# Altium PCB RF-BPF_backup.PcbDoc (part 1 of 2)
Units mm, origin at the board's own origin, x right, y up, seen from the top; angles counter-clockwise.
Board outline 170 x 77.5 mm, 2 copper layers (Top Layer, Top, Bottom Layer, Bottom), stack 1.671 mm thick; 221 components, 128 nets, 704 pads, 14 vias.
Unrouted connection lines stored in the file: 307.
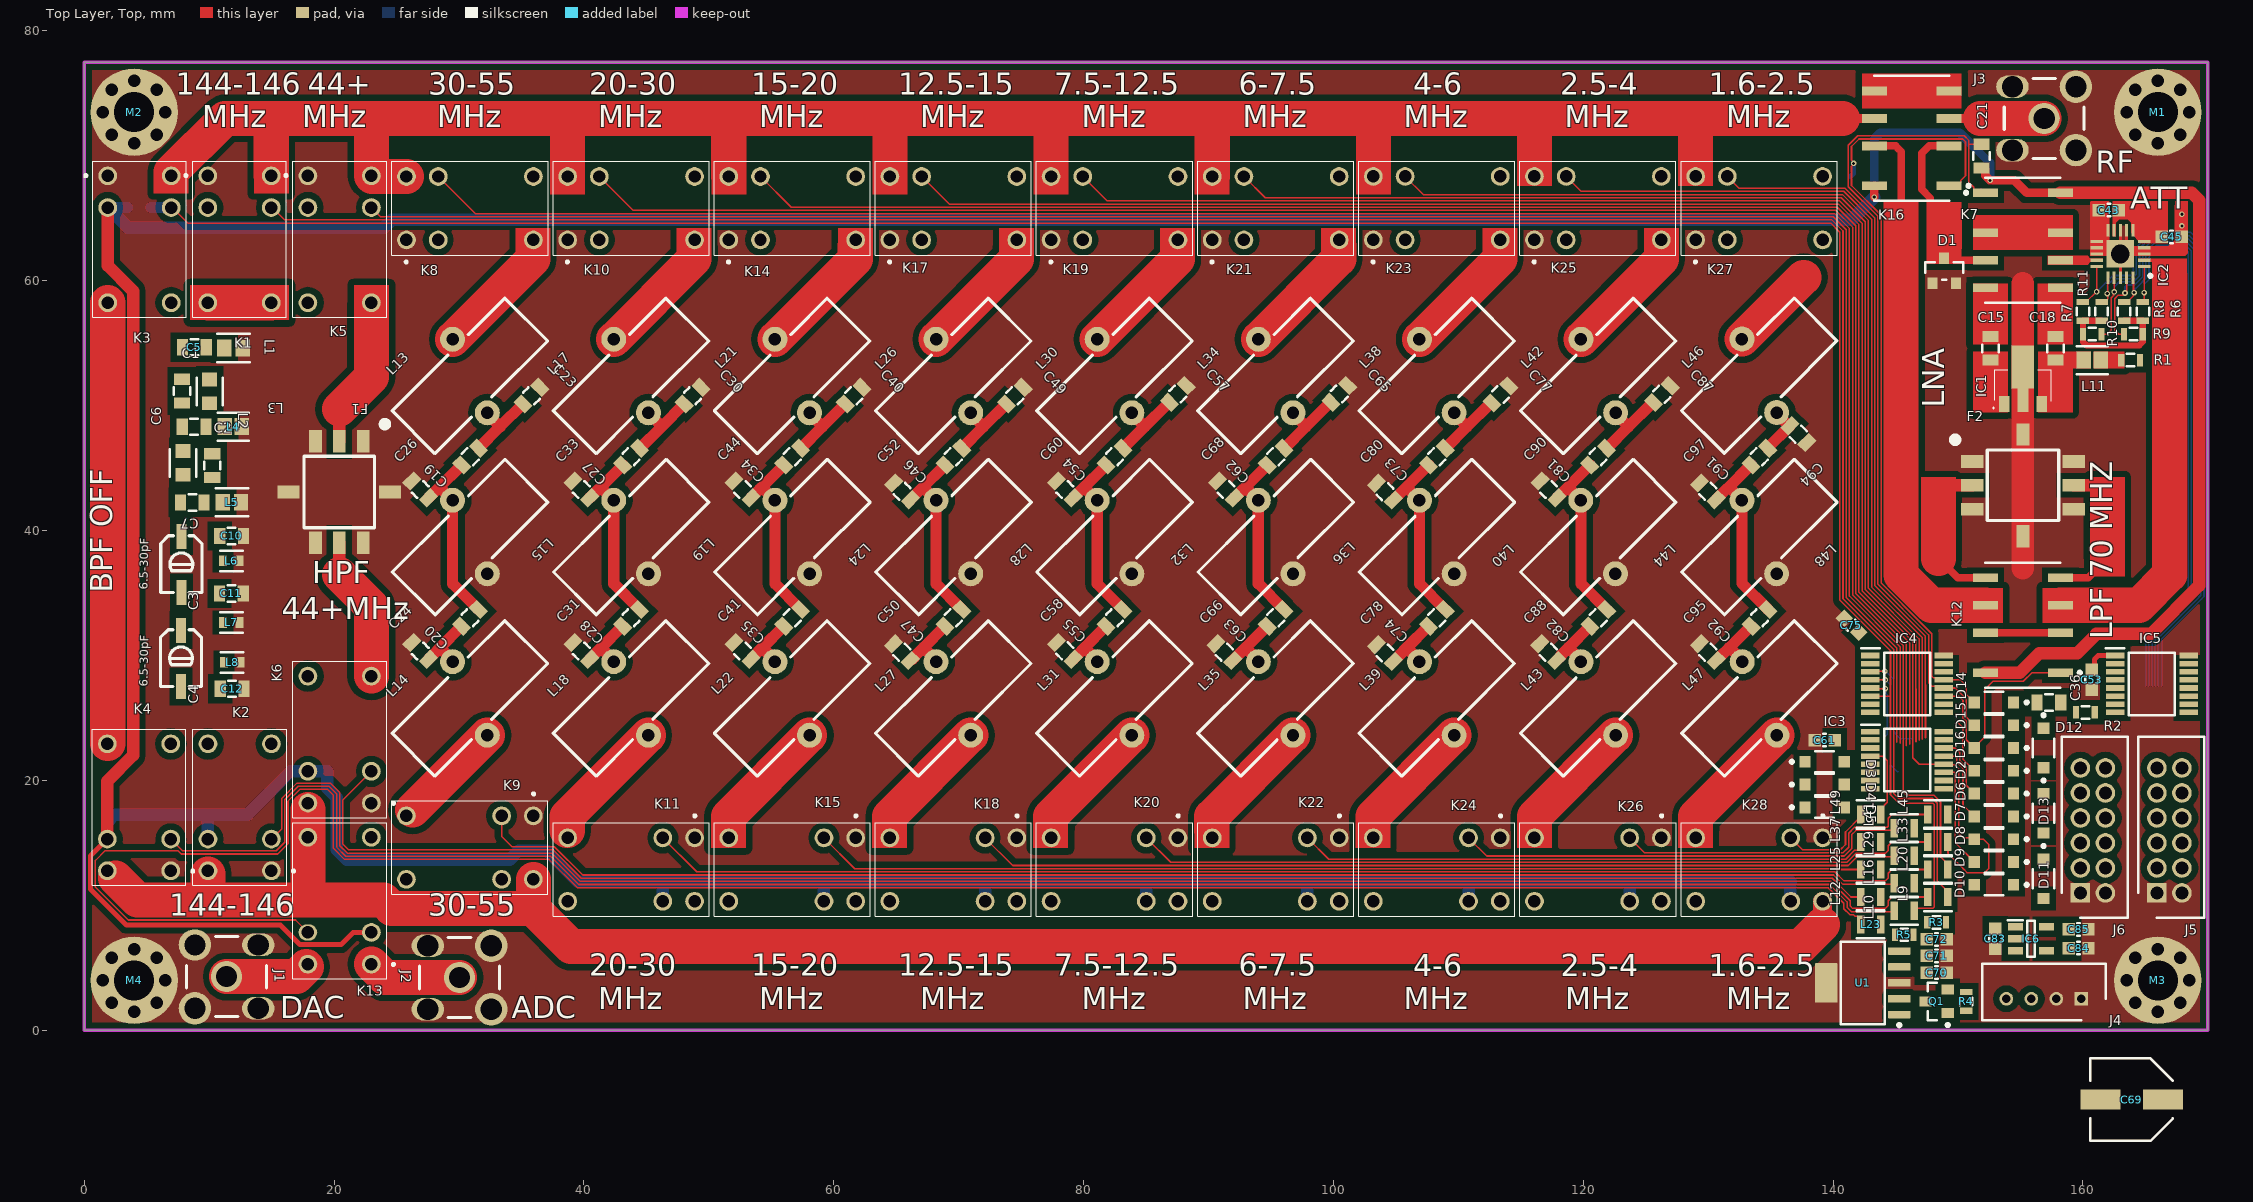
[diagram p0: Top Layer, Top view]
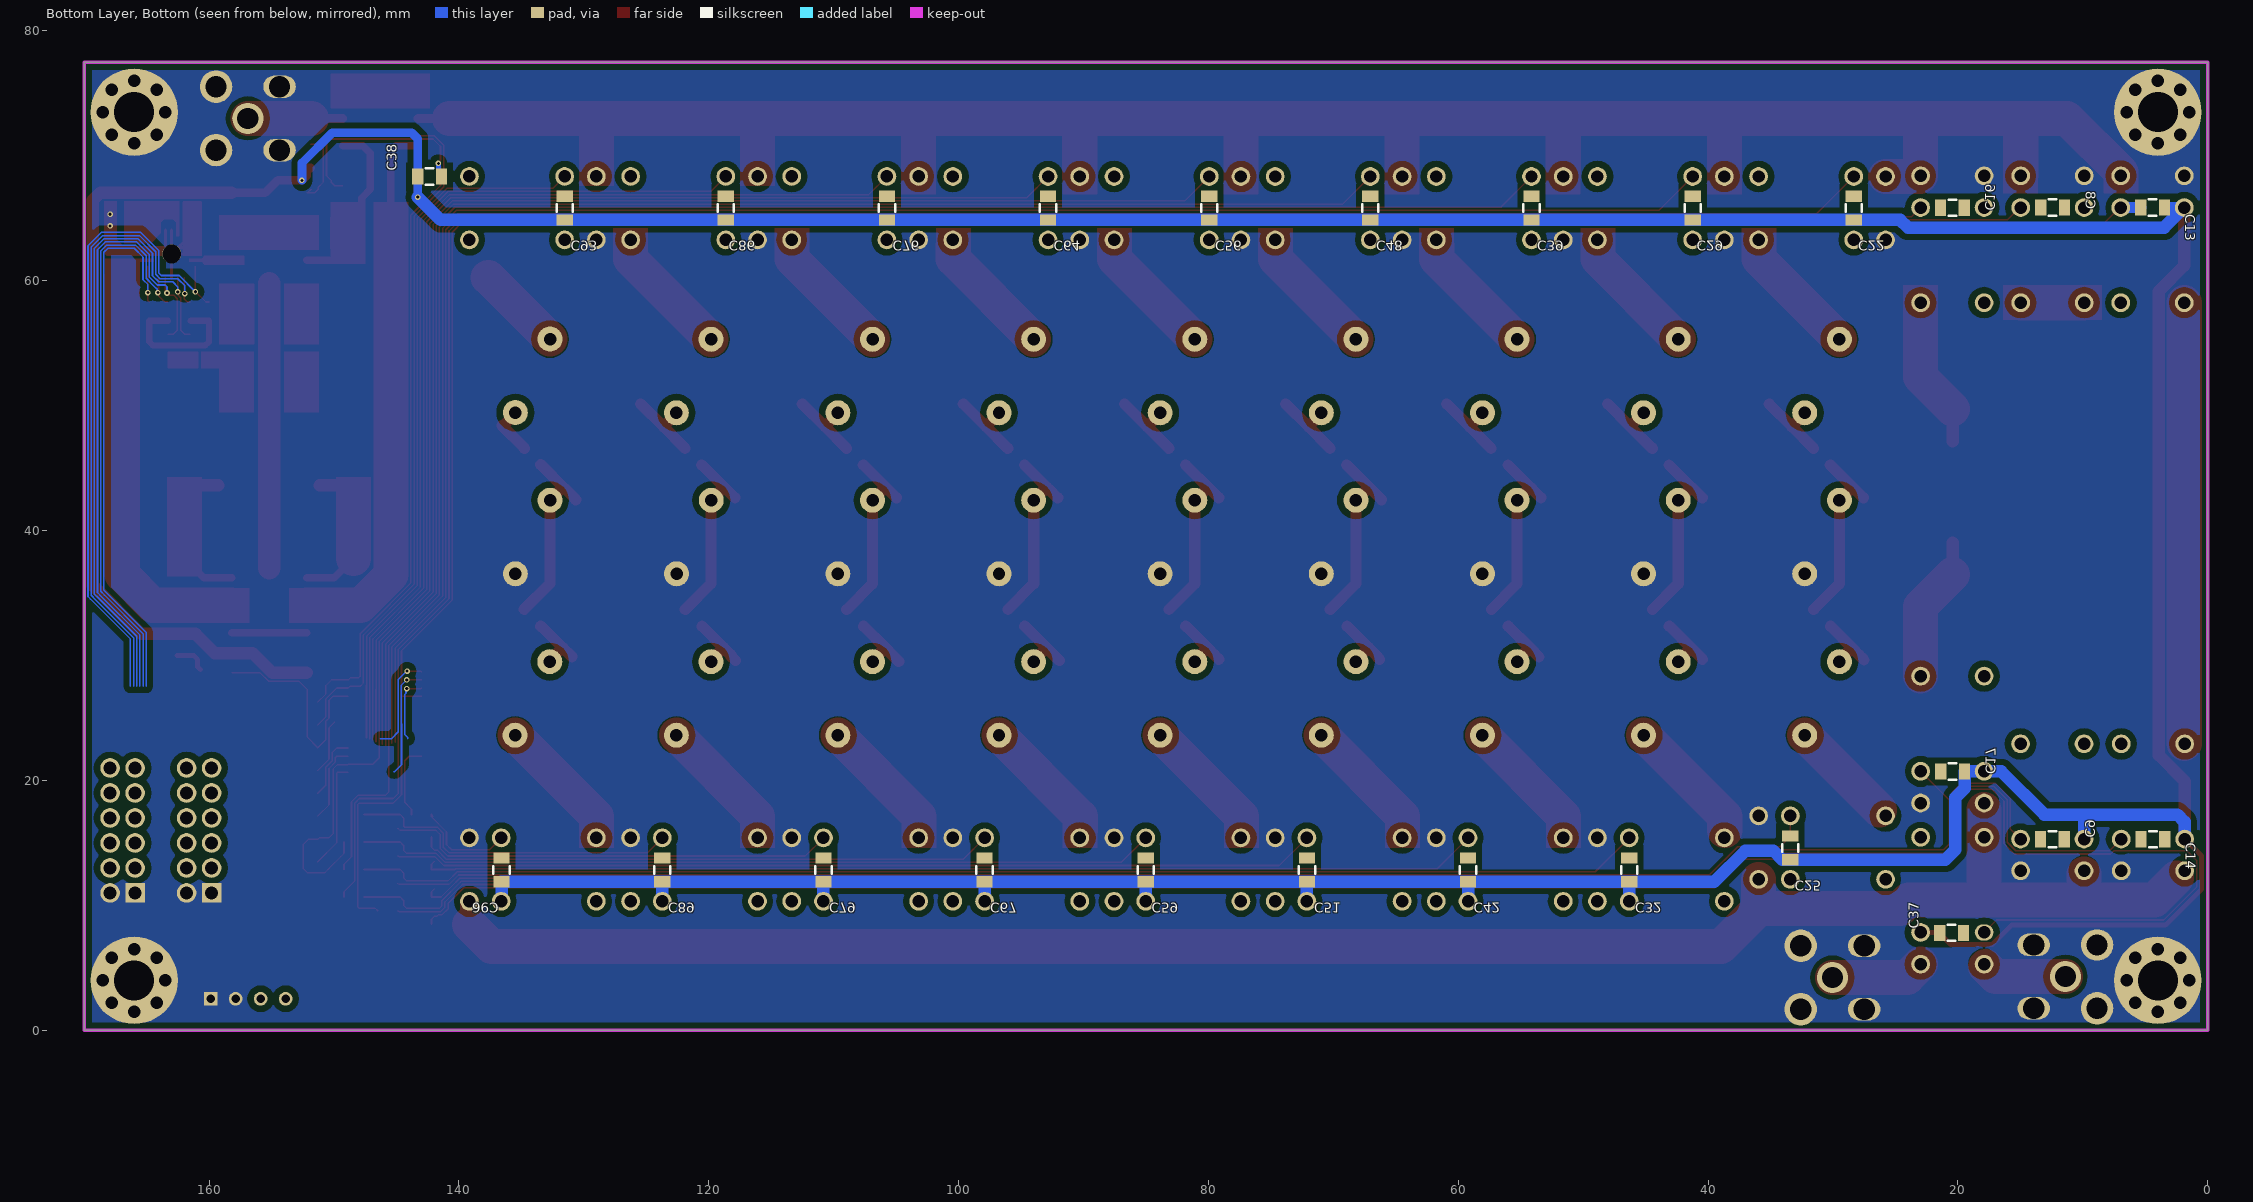
[diagram p1: Bottom Layer, Bottom view, seen from below]
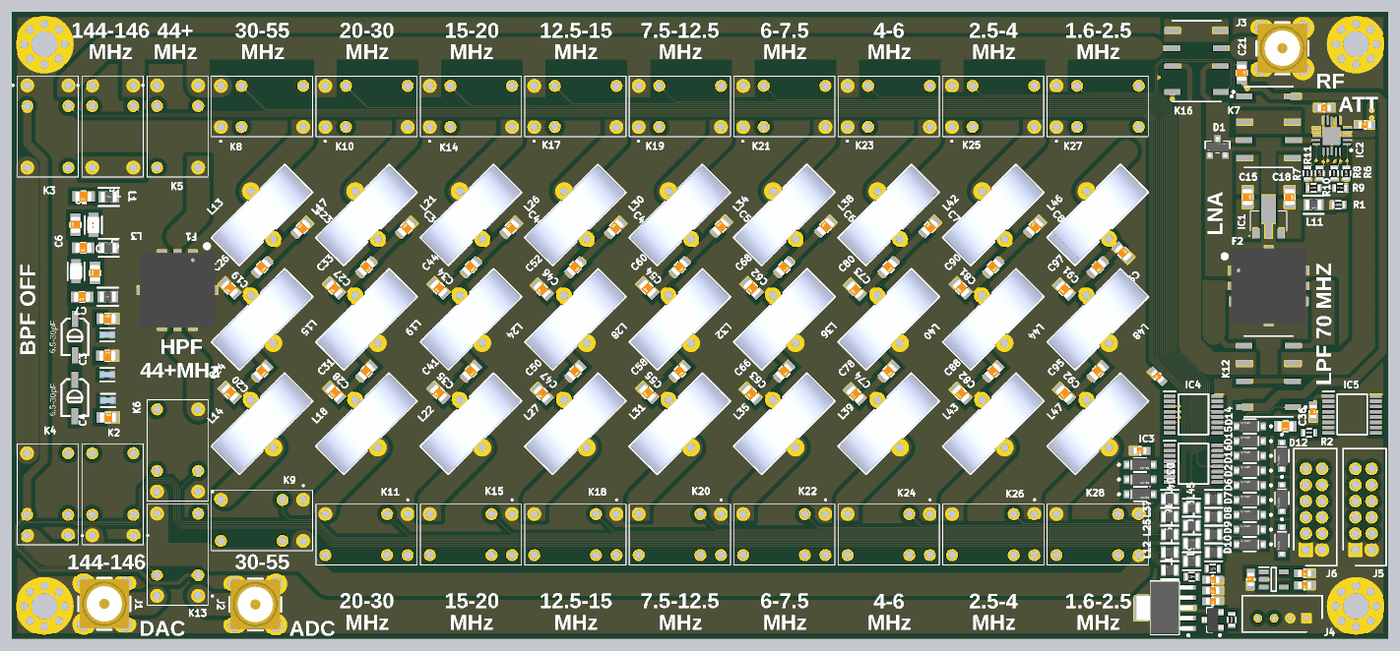
[diagram p3: 3D render of the assembled board from above, using the file's embedded part models]
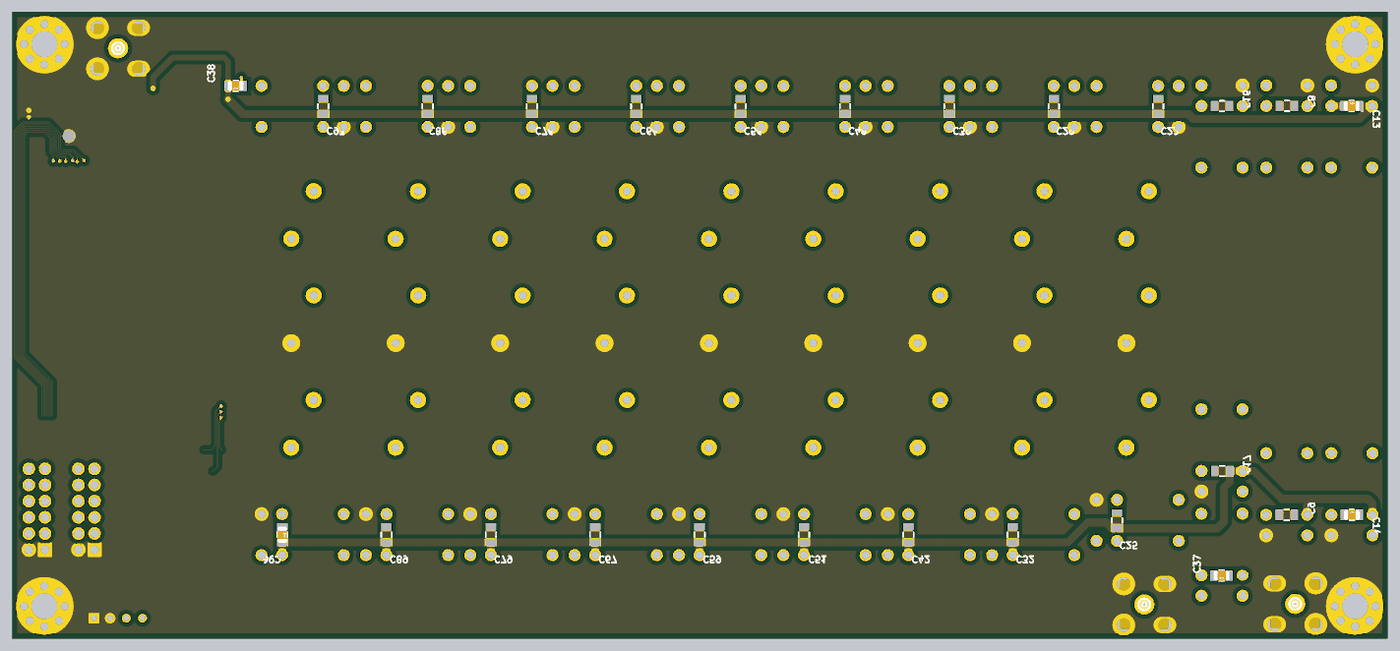
[diagram p4: 3D render of the assembled board from below, using the file's embedded part models]

## Layer stack, top to bottom
Top Solder, Top Mask: solder mask 0.0102, Solder Resist, Dk 3.5
Top Layer, Top: signal copper 0.0356
Dielectric 1: dielectric 1.6, FR-4, Dk 4.8
Bottom Layer, Bottom: signal copper 0.0356
Bottom Solder, Bot Mask: solder mask 0.0102, Solder Resist, Dk 3.5

## Board outline
0,0 0,77.5 170,77.5 170,0

## Design rules (kind name [scope] priority, off if disabled: settings)
Clearance Clearance_Poly [InPoly] p1: gap=0.5 ignorepadtopadclearanceinfootprint=FALSE
Clearance [All] p2: gap=0.127 ignorepadtopadclearanceinfootprint=FALSE
PolygonConnect [All] p1: connectstyle=Direct reliefconductorwidth=0.254 reliefentries=4 polygonreliefangle="90 Angle" airgapwidth=0.254
ReturnPath [InNetClass('RF_SIGNAL_50ohm')] p1: impedanceprofileid={9F3362E4-BBA3-4DC3-A493-6D211F78E066} _gaplimit=0
RoutingVias [All] p1: holewidth=0.25 width=0.45 viastyle="Through Hole" minholewidth=0.25 minwidth=0.45 maxholewidth=0.711 maxwidth=1.27
SolderMaskExpansion [All] p1: expansion=0.102 istentingtop=FALSE
Width "Schematic Width Constraint_1" [InNetClass('RF_SIGNAL_50ohm')] p1: maxlimit=2.814 minlimit=0.127 preferedwidth=2.814 impedanceprofiledriven=TRUE impedanceprofileid={9F3362E4-BBA3-4DC3-A493-6D211F78E066} impedanceprofilevalue=50.000000 minimp=50.000000 maximp=50.000000 favimp=50.000000
Width [All] p2: maxlimit=5 minlimit=0.127 preferedwidth=0.127
30 further rules are at their usual default settings.

## Classes and differential pairs
net class RF_SIGNAL_50ohm: ADC BPF_IN BPF_OUT DAC NetC1_2 NetC4_2 NetC15_1 NetC15_2 NetC18_1 NetC18_2 NetD1_3 NetF1_2 NetF1_6 NetF2_2 NetF2_6 NetIC2_2 NetIC2_14 NetJ3_5 NetK3_5 NetK7_2 NetK8_5 NetK9_5 NetK10_5 NetK11_5 NetK12_2 NetK12_6 NetK14_5 NetK15_5 NetK16_4 NetK17_5 NetK18_5 NetK19_5 NetK20_5 NetK21_5 NetK22_5 NetK23_5 NetK24_5 NetK25_5 NetK26_5 NetK27_5 NetK28_5
component class RF-BPF: C1 C2 C3 C4 C5 C6 C7 C8 C9 C10 C11 C12 C13 C14 C15 C16 C17 C18 C19 C20 C21 C22 C23 C24 C25 C26 C27 C28 C29 C30 C31 C32 C33 C34 C35 C36 C37 C38 C39 C40 C41 C42 C43 C44 C45 C46 C47 C48 C49 C50 C51 C52 C53 C54 C55 C56 C57 C58 C59 C60 C61 C62 C63 C64 C65 C66 C67 C68 C74 C75 C76 C79 C81 C83 C84 C87 C89 C90 C93 C94 C95 C96 C97 D1 D2 D3 D4 D5 D6 D7 D8 D9 D10 D11 D12 D13 D14 D15 D16 F1 F2 IC1 IC2 IC3 IC4 IC6 J1 J2 J3 J4 J5 J6 K1 K2 K3 K4 K5 K6 K7 K8 K9 K10 K11 K12 K13 K14 K15 K16 K17 K18 K19 K20 K21 K22 K23 K24 K25 K26 K27 K28 L1 L2 L3 L4 L5 L6 L7 L8 L9 L10 L11 L12 L13 L14 L15 L16 L17 L18 L19 L20 L21 L22 L23 L24 L25 L26 L27 L28 L29 L30 L31 L32 L33 L34 L35 L36 L37 L38 L39 L40 L41 L42 L43 L44 L45 L46 L47 L48 L49 M1 M2 M3 M4 Q1 R1 R2 R7 R9 R10 R11 U1

## Components (designator, comment, footprint, x,y, rotation, side; value= is the part's Value field where it differs from the comment)
C1 "110pF NP0" C-0805 7.825,51.175 r90 top
C2 "110pF NP0" C-0805 10.25,45.2 r90 top
C3 "6.5-30pF" CAP-ADJ-SMD_L4.5-W3.2-L 7.775,37.3 r270 top
C4 "6.5-30pF" CAP-ADJ-SMD_L4.5-W3.2-L 7.75,29.775 r270 top
C5 "8pF NP0" C-0805 8.825,54.675 r180 top
C6 "15pF NP0" C-0805 8.8,48.325 r180 top
C7 "8pF NP0" C-0805 8.65,42.25 r180 top
C8 "100nF X7R" C-0805 12.425,65.875 r180 bottom
C9 "100nF X7R" C-0805 12.45,15.3 r180 bottom
C10 "120pF NP0" C-0805 11.8,39.575 r0 top
C11 "100pF NP0" C-0805 11.775,34.975 r0 top
C12 "120pF NP0" C-0805 11.85,27.35 r0 top
C13 "100nF X7R" C-0805 4.425,65.865 r180 bottom
C14 "100nF X7R" C-0805 4.4,15.3 r180 bottom
C15 "1nF NP0" C-0805 152.6,54.6 r270 top
C16 "100nF X7R" C-0805 20.45,65.85 r180 bottom
C17 "100nF X7R" C-0805 20.425,20.725 r180 bottom
C18 "1nF NP0" C-0805 157.8,54.6 r270 top
C19 "10pF NP0" C-0805 30.9,45.925 r225 top
C20 "10pF NP0" C-0805 30.88,33.025 r225 top
C21 "100nF X7R" C-0805 151.875,69.975 r270 top
C22 "100nF X7R" C-0805 28.34,65.825 r270 bottom
C23 "12pF NP0" C-0805 35.8,50.8 r45 top
C24 "12pF NP0" C-0805 26.9,30.372 r135 top
C25 "100nF X7R" C-0805 33.425,14.6 r270 bottom
C26 "12pF NP0" C-0805 26.9,43.3 r135 top
C27 "18pF NP0" C-0805 43.78,45.925 r225 top
C28 "18pF NP0" C-0805 43.78,33.025 r225 top
C29 "100nF X7R" C-0805 41.24,65.825 r270 bottom
C30 "27pF NP0" C-0805 48.7,50.8 r45 top
C31 "27pF NP0" C-0805 39.8,30.372 r135 top
C32 "100nF X7R" C-0805 46.32,12.85 r270 bottom
C33 "27pF NP0" C-0805 39.8,43.3 r135 top
C34 "22pF NP0" C-0805 56.68,45.925 r225 top
C35 "22pF NP0" C-0805 56.68,33.025 r225 top
C36 "100nF X7R" C-0805 157.275,26.25 r180 top
C37 "100nF X7R" C-0805 20.5,7.8 r0 bottom
C38 "100nF X7R" C-0805 142.35,68.35 r0 bottom
C39 "100nF X7R" C-0805 54.14,65.825 r270 bottom
C40 "47pF NP0" C-0805 61.6,50.8 r45 top
C41 "47pF NP0" C-0805 52.7,30.372 r135 top
C42 "100nF X7R" C-0805 59.22,12.85 r270 bottom
C43 "100nF X7R" C-0603 162.075,65.65 r180 top
C44 "47pF NP0" C-0805 52.7,43.3 r135 top
C45 "100pF X7R" C-0603 167.1,63.525 r0 top
C46 "18pF NP0" C-0805 69.58,45.925 r225 top
C47 "18pF NP0" C-0805 69.58,33.025 r225 top
C48 "100nF X7R" C-0805 67.04,65.825 r270 bottom
C49 "56pF NP0" C-0805 74.5,50.8 r45 top
C50 "56pF NP0" C-0805 65.453,30.272 r135 top
C51 "100nF X7R" C-0805 72.12,12.85 r270 bottom
C52 "47pF NP0" C-0805 65.475,43.15 r135 top
C53 "100nF X7R" C-0603 160.7,28.075 r270 top
C54 "56pF NP0" C-0805 82.48,45.925 r225 top
C55 "56pF NP0" C-0805 82.48,33.025 r225 top
C56 "100nF X7R" C-0805 79.94,65.825 r270 bottom
C57 "75pF NP0" C-0805 87.547,50.947 r45 top
C58 "75pF NP0" C-0805 78.5,30.375 r135 top
C59 "100nF X7R" C-0805 85.02,12.85 r270 bottom
C60 "68pF NP0" C-0805 78.5,43.3 r135 top
C61 "100nF X7R" C-0603 139.325,23.225 r180 top
C62 "33pF NP0" C-0805 95.38,45.925 r225 top
C63 "33pF NP0" C-0805 95.38,33.025 r225 top
C64 "100nF X7R" C-0805 92.84,65.825 r270 bottom
C65 "100pF NP0" C-0805 100.472,50.947 r45 top
C66 "100pF NP0" C-0805 91.275,30.275 r135 top
C67 "100nF X7R" C-0805 97.92,12.85 r270 bottom
C68 "82pF NP0" C-0805 91.4,43.3 r135 top
C69 "EEE1EA220SP" EEE1AA101SP 163.9,-5.55 r180 top
C70 "100nF X7R" C-0603 148.3,4.625 r180 top
C71 "10uF X7R" C-0603 148.3,5.95 r180 top
C72 "100nF X7R" C-0603 148.3,7.275 r180 top
C73 "75pF NP0" C-0805 108.28,45.925 r225 top
C74 "75pF NP0" C-0805 108.28,33.025 r225 top
C75 "100nF X7R" C-0603 141.475,32.425 r135 top
C76 "100nF X7R" C-0805 105.74,65.825 r270 bottom
C77 "120pF NP0" C-0805 113.372,50.897 r45 top
C78 "120pF NP0" C-0805 104.125,30.2 r135 top
C79 "100nF X7R" C-0805 110.82,12.85 r270 bottom
C80 "100pF NP0" C-0805 104.128,43.122 r135 top
C81 "120pF NP0" C-0805 121.191,45.925 r225 top
C82 "120pF NP0" C-0805 121.209,33.025 r225 top
C83 "100nF X7R" C-0603 153,7.325 r90 top
C84 "10uF X7R" C-0603 159.65,6.575 r180 top
C85 "100nF X7R" C-0603 159.65,8.075 r180 top
C86 "100nF X7R" C-0805 118.635,65.825 r270 bottom
C87 "220pF NP0" C-0805 126.297,50.922 r45 top
C88 "220pF NP0" C-0805 117.2,30.275 r135 top
C89 "100nF X7R" C-0805 123.72,12.85 r270 bottom
C90 "180pF NP0" C-0805 117.229,43.3 r135 top
C91 "240pF NP0" C-0805 134.098,45.925 r225 top
C92 "240pF NP0" C-0805 134.115,33.025 r225 top
C93 "100nF X7R" C-0805 131.525,65.825 r270 bottom
C94 "390pF NP0" C-0805 137.225,47.725 r315 top
C95 "390pF NP0" C-0805 129.975,30.275 r135 top
C96 "100nF X7R" C-0805 136.6,12.85 r270 bottom
C97 "330pF NP0" C-0805 129.975,43.15 r135 top
D1 "BAV99LT1G" FP-318-08-MFG 148.9,60.8 r90 top
D2 "1N4148W-13-F" FP-SOD123-MFG 152.875,20.775 r180 top value=2pF
D3 "1N4148W-13-F" FP-SOD123-MFG 139.325,21.5 r0 top value=2pF
D4 "1N4148W-13-F" FP-SOD123-MFG 139.325,19.675 r0 top value=2pF
D5 "1N4148W-13-F" FP-SOD123-MFG 139.325,17.85 r0 top value=2pF
D6 "1N4148W-13-F" FP-SOD123-MFG 152.875,18.95 r180 top value=2pF
D7 "1N4148W-13-F" FP-SOD123-MFG 152.875,17.125 r180 top value=2pF
D8 "1N4148W-13-F" FP-SOD123-MFG 152.875,15.3 r180 top value=2pF
D9 "1N4148W-13-F" FP-SOD123-MFG 152.875,13.475 r180 top value=2pF
D10 "1N4148W-13-F" FP-SOD123-MFG 152.875,11.65 r180 top value=2pF
D11 "1N4148W-13-F" FP-SOD123-MFG 156.85,12.125 r270 top value=2pF
D12 "1N4148W-13-F" FP-SOD123-MFG 156.85,22.6 r270 top value=2pF
D13 "1N4148W-13-F" FP-SOD123-MFG 156.85,17.375 r270 top value=2pF
D14 "1N4148W-13-F" FP-SOD123-MFG 152.875,26.25 r180 top value=2pF
D15 "1N4148W-13-F" FP-SOD123-MFG 152.875,24.425 r180 top value=2pF
D16 "1N4148W-13-F" FP-SOD123-MFG 152.875,22.6 r180 top value=2pF
F1 "RHP-44+" GP731 20.425,43.1 r180 top
F2 "RLP-70+" GP731 155.2,43.625 r270 top
IC1 "PGA103+/SPF5189Z" SPF5189Z 155.2,51.623 r0 top
IC2 "PE4312C-Z" QFN50P400X400X90-21N-D 163,62.15 r180 top
IC3 "STPIC6C595TTR" SOP65P640X120-16N 145.925,21.625 r0 top
IC4 "STPIC6C595TTR" SOP65P640X120-16N 145.925,27.725 r0 top
IC5 "STPIC6C595TTR" SOP65P640X120-16N 165.525,27.725 r0 top
IC6 "TPS70933DBVR" SOT95P280X145-5N 155.85,7.325 r0 top
J1 "ADC" 31-5431#1 11.4,4.3 r90 top value=DAC
J2 "ADC" 31-5431#2 30.05,4.225 r270 top
J3 "ADC" 31-5431#2 156.9,73 r270 top value=RF_IN/OUT
J4 "B4B-PH-K-S_LF__SN_" SHDR4W50P0X200_1X4_990X450X600P 159.875,2.525 r0 top
J5 "DF11-12DP-2DSA_24_" SHDR12W60P200_2X6_1400X500X690P 165.925,11 r270 top
J6 "DF11-12DP-2DSA_24_" SHDR12W60P200_2X6_1400X500X690P 159.8,11 r270 top
K1 "G5V-1-DC12" G5V1DC12#1 12.113,63.325 r270 top
K2 "G5V-1-DC12" G5V1DC12#1 12.775,17.85 r90 top
K3 "G5V-1-DC12" G5V1DC12#1 4.1,63.325 r270 top
K4 "G5V-1-DC12" G5V1DC12#1 4.715,17.85 r90 top
K5 "G5V-1-DC12" G5V1DC12#1 20.125,63.325 r270 top
K6 "G5V-1-DC12" G5V1DC12#1 20.775,23.275 r90 top
K7 "2-1462037-3" TECO-2-1462037-3_V 155.2,63.25 r270 top
K8 "G5V-1-DC12" G5V1DC12#1 30.88,65.485 r0 top
K9 "G5V-1-DC12" G5V1DC12#1 30.875,14.95 r180 top
K10 "G5V-1-DC12" G5V1DC12#1 43.78,65.485 r0 top
K11 "G5V-1-DC12" G5V1DC12#1 43.78,13.189 r180 top
K12 "2-1462037-3" TECO-2-1462037-3_V 155.2,32.425 r90 top
K13 "G5V-1-DC12" G5V1DC12#2 20.775,10.375 r90 top
K14 "G5V-1-DC12" G5V1DC12#1 56.68,65.485 r0 top
K15 "G5V-1-DC12" G5V1DC12#1 56.68,13.189 r180 top
K16 "2-1462037-3" TECO-2-1462037-3_V 146.3,71.4 r90 top
K17 "G5V-1-DC12" G5V1DC12#1 69.58,65.485 r0 top
K18 "G5V-1-DC12" G5V1DC12#1 69.58,13.189 r180 top
K19 "G5V-1-DC12" G5V1DC12#1 82.48,65.485 r0 top
K20 "G5V-1-DC12" G5V1DC12#1 82.48,13.189 r180 top
K21 "G5V-1-DC12" G5V1DC12#1 95.38,65.485 r0 top
K22 "G5V-1-DC12" G5V1DC12#1 95.38,13.189 r180 top
K23 "G5V-1-DC12" G5V1DC12#1 108.28,65.489 r0 top
K24 "G5V-1-DC12" G5V1DC12#1 108.28,13.189 r180 top
K25 "G5V-1-DC12" G5V1DC12#1 121.175,65.489 r0 top
K26 "G5V-1-DC12" G5V1DC12#1 121.18,13.189 r180 top
K27 "G5V-1-DC12" G5V1DC12#1 134.08,65.489 r0 top
K28 "G5V-1-DC12" G5V1DC12#1 134.08,13.189 r180 top
L1 "LQW2BHN22NJ03L" FP-LQW2BHN_03-MFG 10.05,51.15 r270 top
L2 "LQW2BHN22NJ03L" FP-LQW2BHN_03-MFG 7.9,45.425 r270 top
L3 "74479773133" FP-74479773133-IPC_C 11.95,54.625 r180 top
L4 "LQM21NNR18K10D" FP-LQM21DN_00-IPC_C 11.925,48.325 r180 top
L5 "74479773133" FP-74479773133-IPC_C 11.825,42.275 r180 top
L6 "LQW18AN8N2D00D" FP-LQW18AN_00-MFG 11.775,37.575 r180 top
L7 "LQW18AN8N2D00D" FP-LQW18AN_00-MFG 11.775,32.65 r180 top
L8 "LQW18AN8N2D00D" FP-LQW18AN_00-MFG 11.85,29.45 r180 top
L9 "CB2012T101K" FP-CB2012-MFG 148.4,10.675 r180 top
L10 "CB2012T101K" FP-CB2012-MFG 145.7,9.575 r180 top
L11 "LQM21NNR22K10D" FP-LQM21DN_00-IPC_C 160.75,53.65 r0 top
L12 "CB2012T101K" FP-CB2012-MFG 143,10.675 r180 top
L13 "0.64uH" Amidon_T50 30.871,52.385 r45 top
L14 "0.64uH" Amidon_T50 30.871,26.575 r45 top
L15 "0.64uH" Amidon_T50 30.889,39.48 r225 top
L16 "CB2012T101K" FP-CB2012-MFG 145.7,11.775 r180 top
L17 "0.82uH" Amidon_T50 43.771,52.385 r45 top
L18 "0.82uH" Amidon_T50 43.771,26.575 r45 top
L19 "0.82uH" Amidon_T50 43.789,39.48 r225 top
L20 "CB2012T101K" FP-CB2012-MFG 148.4,12.875 r180 top
L21 "1.0uH" Amidon_T50 56.671,52.385 r45 top
L22 "1.0uH" Amidon_T50 56.671,26.575 r45 top
L23 "CB2012T101K" FP-CB2012-MFG 143,8.475 r180 top
L24 "1.0uH" Amidon_T50 56.689,39.48 r225 top
L25 "CB2012T101K" FP-CB2012-MFG 143,12.875 r180 top
L26 "1.7uH" Amidon_T50 69.571,52.385 r45 top
L27 "1.7uH" Amidon_T50 69.571,26.575 r45 top
L28 "1.7uH" Amidon_T50 69.589,39.48 r225 top
L29 "CB2012T101K" FP-CB2012-MFG 145.7,13.975 r180 top
L30 "2.0uH" Amidon_T50 82.471,52.385 r45 top
L31 "2.0uH" Amidon_T50 82.471,26.575 r45 top
L32 "2.0uH" Amidon_T50 82.489,39.48 r225 top
L33 "CB2012T101K" FP-CB2012-MFG 148.4,15.075 r180 top